# Altium PCB GT502W_QC10.PcbDoc (part 1 of 2)
Units mil, origin at the board's own origin, x right, y up, seen from the top; angles counter-clockwise.
Board outline 2072.48 x 2691 mil, 2 copper layers (Top Layer, Bottom Layer), stack 10.556 mil thick; 172 components, 116 nets, 567 pads, 350 vias.
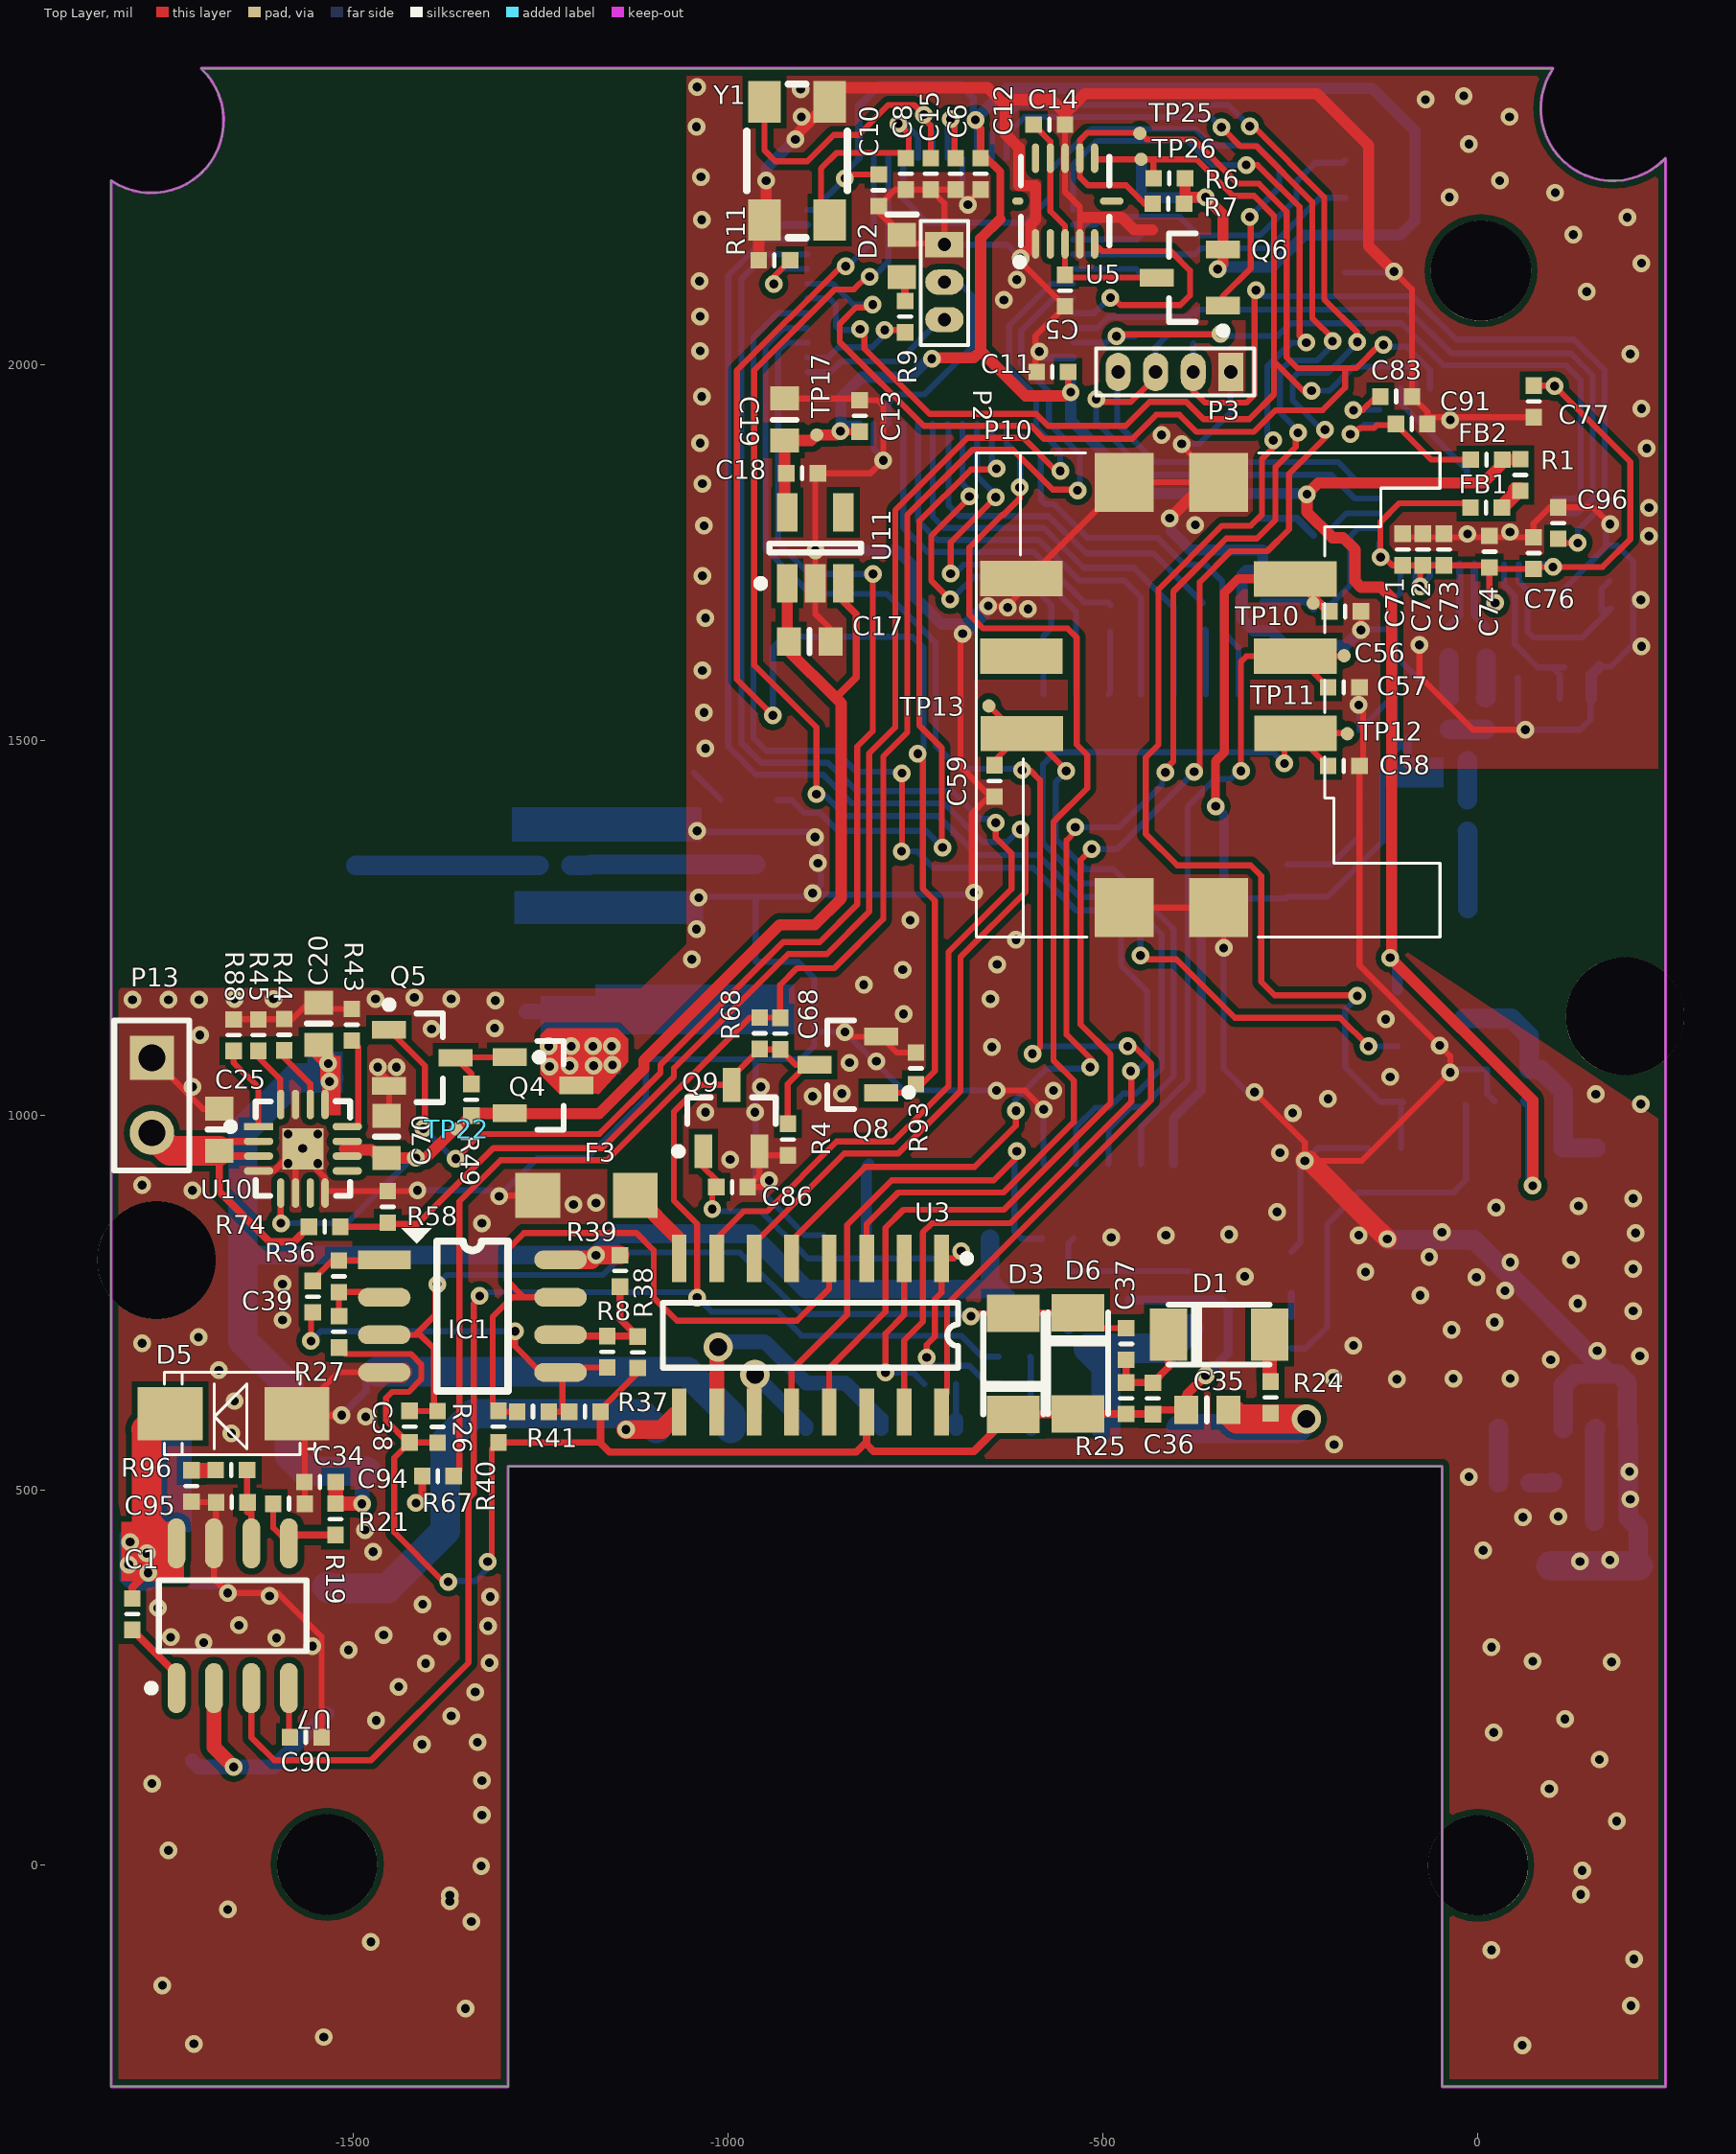
[diagram p0: Top Layer view]
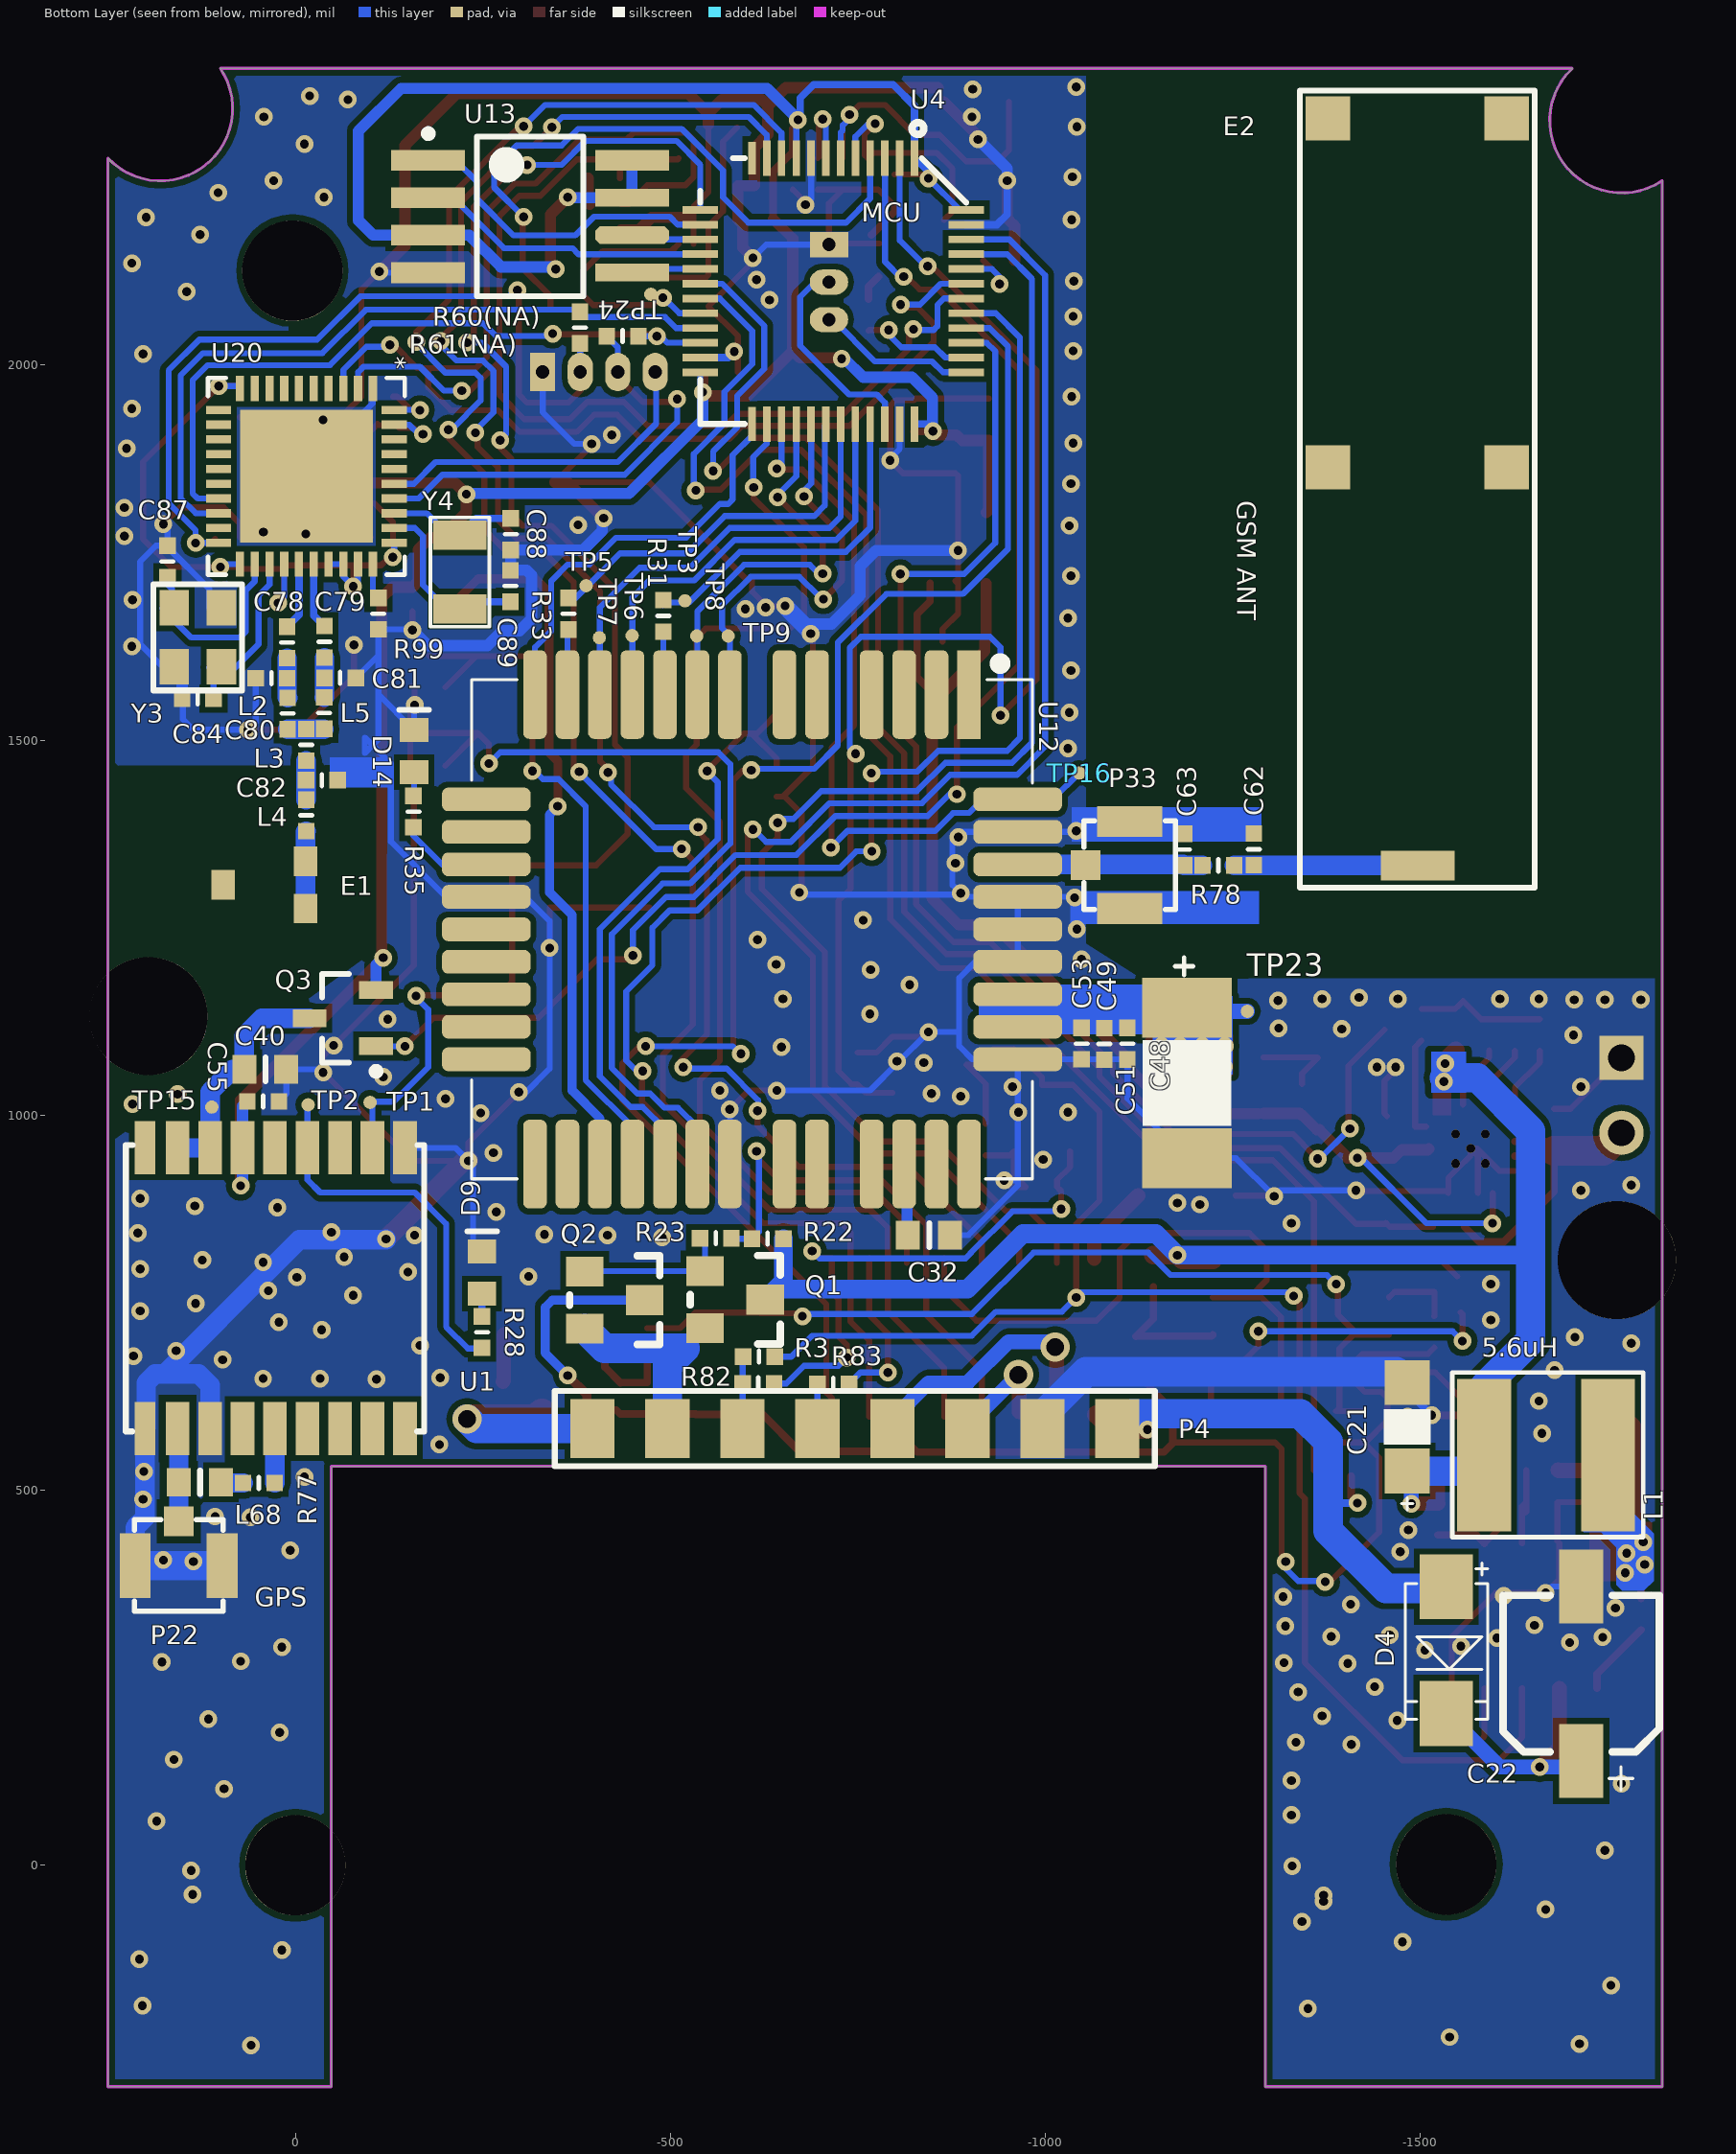
[diagram p1: Bottom Layer view, seen from below]
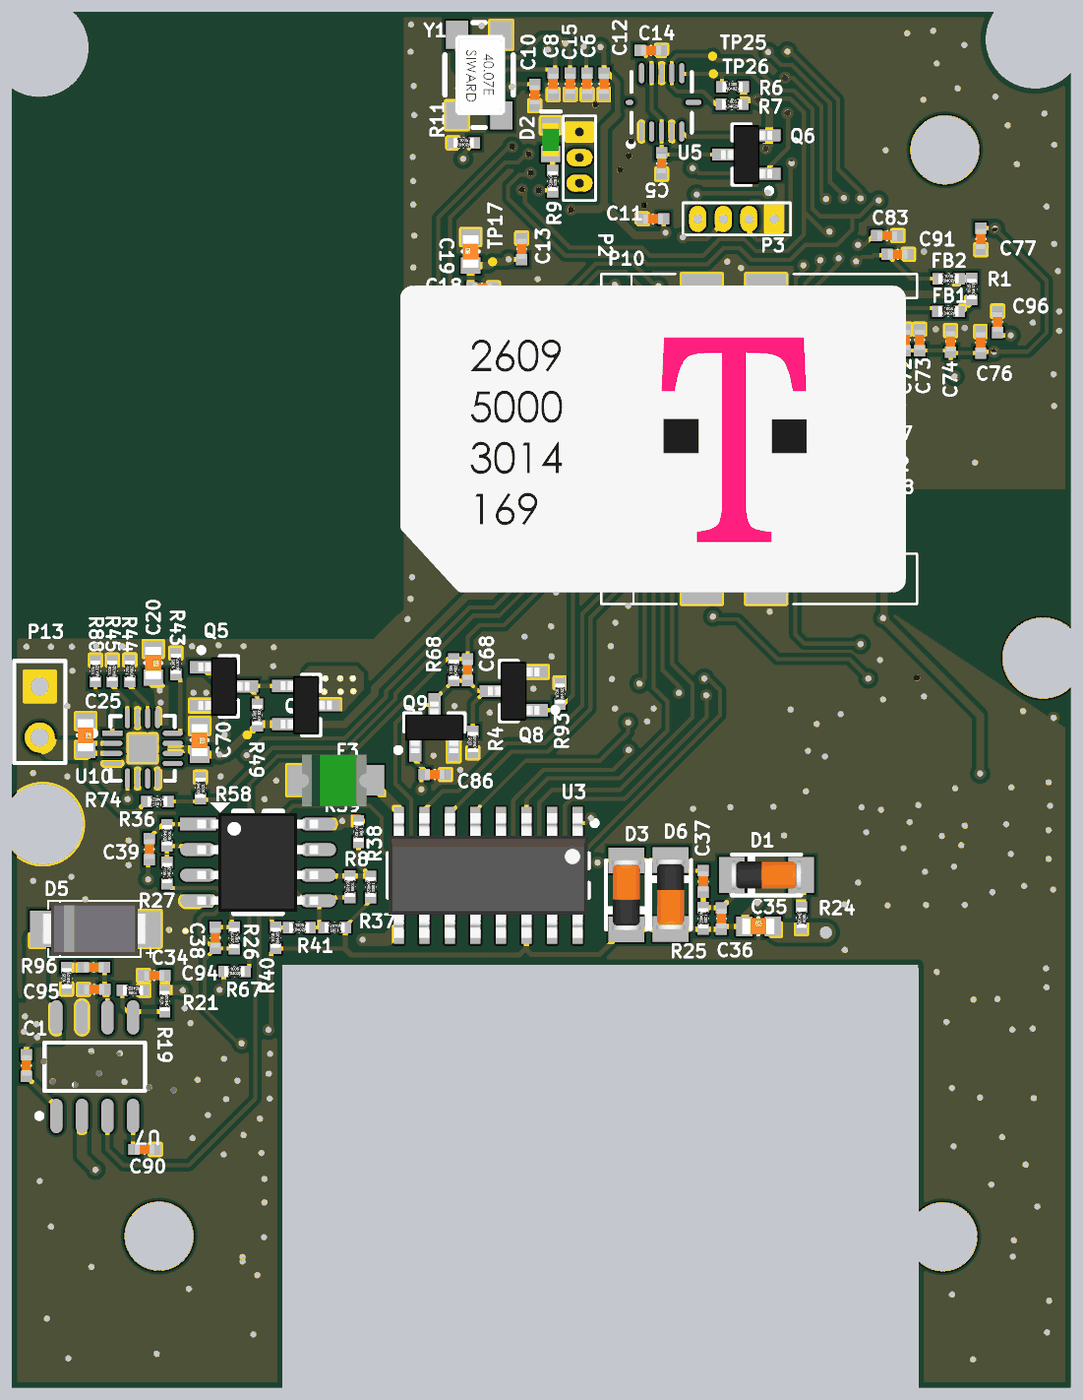
[diagram p3: 3D render of the assembled board from above, using the file's embedded part models]
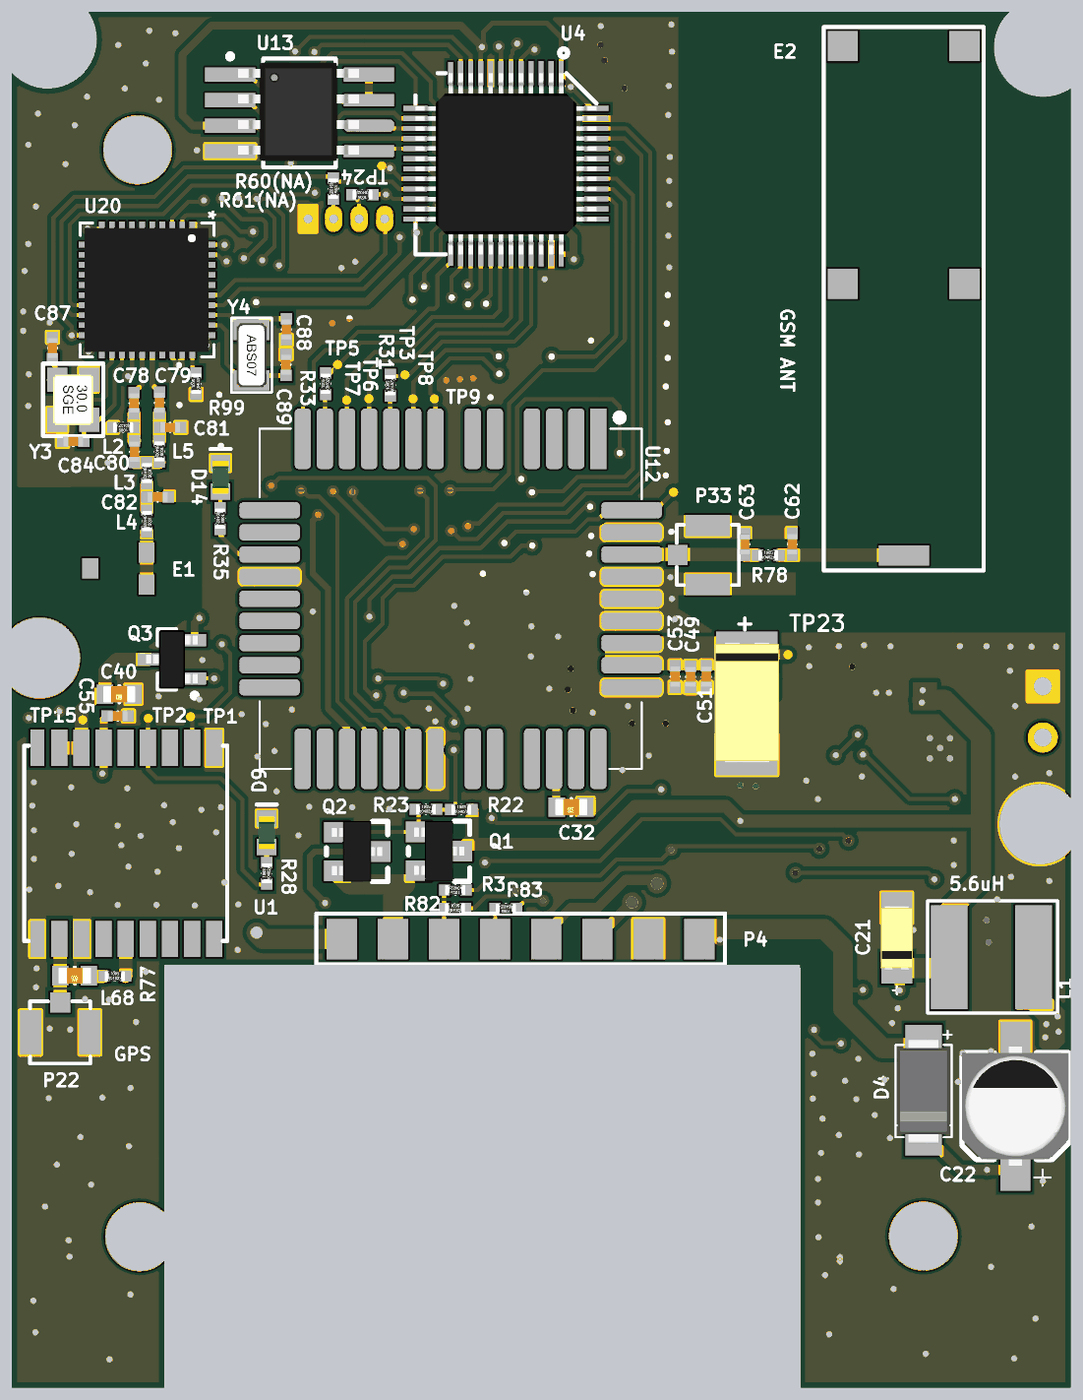
[diagram p4: 3D render of the assembled board from below, using the file's embedded part models]

## Layer stack, top to bottom
Top Layer: signal copper 1.378
Dielectric: core 7.8, FR-4, Dk 4.2
Bottom Layer: signal copper 1.378

## Board outline
-1822.48,-295.16 -1822.48,2246 -1822.4,2246 ccw(c-1768.63,2325.82) -1702.36,2395.62 -1702.36,2395.84 100.12,2395.84 100.12,2395.76 ccw(c179.94,2341.98) 249.74,2275.72 250,2275.48 250,-295.16 -48,-295.16 -48,531.84 -1293,531.84 -1293,-295.16

## Design rules (kind name [scope] priority, off if disabled: settings)
Clearance "Schematic Clearance Constraint" [InNet('NetL68_2')] p1: gap=10
Clearance [All] p2: gap=8
ComponentClearance [All] p1: gap=0 collisioncheckmode=3 verticalgap=0 showdistances=FALSE
MinimumSolderMaskSliver [All] p1: minsoldermaskwidth=1
PolygonConnect pol_conn_style [All vs IsNamedPolygon('Bottom Layer-GND') Or  IsNamedPolygon('Top Layer-GND')] p1: connectstyle=Direct reliefconductorwidth=10 reliefentries=4 polygonreliefangle="90 Angle"
PolygonConnect Pol_Style [All vs IsNamedPolygon('L1_GND') Or  IsNamedPolygon('L3_GND') Or  IsNamedPolygon('L4_GND') Or  IsNamedPolygon('L2_GND')] p2: connectstyle=Direct reliefconductorwidth=10 reliefentries=4 polygonreliefangle="90 Angle" // V3
PolygonConnect L1-GND-GPS_1 [All vs IsNamedPolygon('L1-GND-GPS')] p3: connectstyle=Direct reliefconductorwidth=10 reliefentries=4 polygonreliefangle="90 Angle"
PolygonConnect L1-L4-GND-POLYGON-STYLE [All vs IsNamedPolygon('L2-GND-PCB') Or  IsNamedPolygon('L4-GND-PCB') Or  IsNamedPolygon('L1-GND-PCB') Or  IsNamedPolygon('L3-GND-PCB')] p4: connectstyle=Direct reliefconductorwidth=10 reliefentries=4 polygonreliefangle="90 Angle"
PolygonConnect GPS-PAD-L1 [All vs IsNamedPolygon('L1-GPS-PAD')] p5: connectstyle=Direct reliefconductorwidth=10 reliefentries=4 polygonreliefangle="90 Angle"
PolygonConnect "GPS PAD" [All vs IsNamedPolygon('L4-GPS-PAD')] p6: connectstyle=Direct reliefconductorwidth=10 reliefentries=4 polygonreliefangle="90 Angle"
PolygonConnect [All vs isvia] p7: connectstyle=Direct reliefconductorwidth=10 reliefentries=4 polygonreliefangle="90 Angle"
RoutingVias ThruVia [All] p1: holewidth=11.81 width=23.62 viastyle="Through Hole" minholewidth=11.81 minwidth=23.62 maxholewidth=39.37 maxwidth=78.74
SilkscreenOverComponentPads [All] p1: minsilkscreentomaskgap=0.39
SolderMaskExpansion [All] p1: expansion=4
Width "Schematic Width Constraint" [InNet('NetL68_2')] p1: maxlimit=26 minlimit=26 preferedwidth=26
Width [All] p2: maxlimit=78.74 minlimit=6 preferedwidth=6
25 further rules are at their usual default settings.

## Classes and differential pairs
component class "Power Supply": C1 C17 C18 C19 C20 C21 C22 C25 C34 C70 C90 C94 C95 D4 D5 L1 P13 Q4 Q5 R19 R21 R43 R44 R45 R49 R58 R74 R88 R96 TP17 TP22 TP23 U7 U10 U11
component class Main: Buzzer1 C5 C6 C8 C10 C11 C12 C13 C14 C15 C35 C36 C37 C38 C39 C68 C71 C72 C73 C74 C76 C77 C78 C79 C80 C81 C82 C83 C84 C86 C87 C88 C89 C91 C96 D1 D2 D3 D6 E1 F3 FB1 FB2 IC1 L2 L3 L4 L5 P2 P3 P4 Q1 Q2 Q6 Q8 Q9 R1 R3 R4 R6 R7 R8 R9 R11 R22 R23 R24 R25 R26 R27 R36 R37 R38 R39 R40 R41 R60(NA) R61(NA) R67 R68 R82 R83 R93 R99 TP24 TP25 TP26 U3 U4 U5 U13 U20 Y1 Y3 Y4
component class GSM/GPS: C32 C40 C41 C48 C49 C51 C53 C55 C56 C57 C58 C59 C62 C63 D9 D14 E2 L68 L69 P10 P22 P33 Q3 R28 R31 R33 R35 R77 R78 TP1 TP2 TP3 TP5 TP6 TP7 TP8 TP9 TP10 TP11 TP12 TP13 TP15 TP16 U1 U12 U33

## Components (designator, comment, footprint, x,y, rotation, side; value= is the part's Value field where it differs from the comment)
C1 "100nF" C0402 -1794.21,334.79 r270 top
C5 "100nF-16V-20%" C0402 -550.54,2099.46 r90 top
C6 "100nF-16V-20%" C0402 -696.47,2255.08 r270 top
C8 "15p-50V-5%" C0402 -762.87,2255.08 r90 top
C10 "100nF-16V-20%" C0402 -799,2233.13 r270 top
C11 "100nF-16V-20%" C0402 -567.48,1990.83 r180 top
C12 "100nF-16V-20%" C0402 -663.27,2255.08 r270 top
C13 "100nF-16V-20%" C0402 -824.37,1932.4 r90 top
C14 "100nF-16V-20%" C0402 -571.61,2320.59 r180 top
C15 "15p-50V-5%" C0402 -729.67,2255.08 r270 top
C17 "1uF-16V-20%" C0603 -918.89,1631.46 r0 top
C18 "100nF-16V-20%" C0402 -901.17,1855.87 r180 top
C19 "1uF-16V-20%" C0603 -924.37,1899.61 r90 top
C20 "1uF-16V-20%" C0603 -1545.76,1149.83 r270 top
C21 "4.7uF" C1206 -1482.4,529.39 r90 bottom
C22 "10uF, 35v" "CAPACITOR SIZE_C(D5.3)" -1714.31,139.37 r90 bottom
C25 "10uF-6V3-20%" C0603 -1678.24,1008.54 r270 top
C32 "4.7uF-10V" C0603 -872.64,840.21 r0 bottom
C34 "1nF-5%" C0402 -1662.2,527.02 r0 top
C35 "0.1uF-50V" C0603 -388.85,607.1 r0 top
C36 "3.3nF-10%" C0402 -433.45,622.32 r270 top
C37 "10nF-10%" C0402 -469.07,695 r90 top
C38 "2.2nF-10%" C0402 -1424.43,584.77 r90 top
C39 "100nF-16V-20%" C0402 -1553.55,758.07 r90 top
C40 "10uF-6V3-20%" C0603 12.1,1061.16 r0 bottom
C48 "470u-6.3V" C1812 -1188.77,1143.45 r270 bottom locked
C49 "100nF-16V-20%" C0402 -1078.64,1094.99 r270 bottom
C51 "10nF-16V" C0402 -1109.35,1095.39 r90 bottom
C53 "33pF 50V 5%" C0402 -1048.26,1095.57 r270 bottom
C55 "100nF-16V-20%" C0402 43.03,1018.54 r180 bottom
C56 "100nF-16V-20%" C0402 -176.97,1671.69 r0 top
C57 "47p-50V-5%" C0402 -178.91,1570.63 r180 top
C58 "47p-50V-5%" C0402 -178.91,1465.69 r180 top
C59 "47p-50V-5%" C0402 -644.76,1445.67 r90 top
C62 "0.5pF" C0402 -1277.74,1354.59 r270 bottom
C63 "0.5pF" C0402 -1184.83,1354.2 r270 bottom
C68 "100nF-16V-20%" C0402 -930.4,1108.86 r90 top
C70 "10uF-6V3-20%" C0603 -1455.12,999.05 r270 top
C71 "100nF-16V-20%" C0402 -100.45,1754.19 r90 top
C72 "100nF-16V-20%" C0402 -73.52,1754.19 r90 top
C73 "100nF-16V-20%" C0402 -45.49,1754.19 r90 top
C74 "100nF-16V-20%" C0402 15.22,1751.44 r90 top
C76 "100nF-16V-20%" C0402 74.04,1749.47 r90 top
C77 "100nF-16V-20%" C0402 74.45,1951.67 r270 top
C78 "18pF" C0402 10.98,1630.41 r270 bottom
C79 "18pF" C0402 -38.7,1631.19 r270 bottom
C80 "" C0402 10.27,1535.52 r270 bottom
C81 "" C0402 -59.66,1583.06 r180 bottom
C82 "" C0402 -35.25,1446.76 r180 bottom
C83 "1uF-6V3-20%" C0402 -109.1,1958.15 r0 top
C84 "15pF" C0402 130.11,1555.58 r180 bottom
C86 "100nF-16V-20%" C0402 -994.65,904.22 r180 top
C87 "15pF" C0402 170.53,1738.28 r270 bottom
C88 "18pF" C0402 -287.19,1774.67 r90 bottom
C89 "18pF" C0402 -286.61,1705.6 r270 bottom
C90 "10nF-10%" C0402 -1562.87,170.83 r180 top
C91 "100nF-16V-20%" C0402 -88.4,1921.66 r180 top
C94 "100nF" C0402 -1543.84,511.02 r0 top
C95 "9pF" C0402 -1661.56,483.86 r0 top
C96 "10nF-16V" C0402 106.93,1789.46 r270 top
D1 "1N4148" DO-213AA -277.76,707.47 r180 top
D2 "LED GREEN" LED0603-G -768.11,2145.81 r90 top
D3 "1N4148" DO-213AA -619.52,736.02 r270 top
D4 "1N4007" "DO-214AC (SMA)" -1554.33,336.08 r270 bottom
D5 "B340A" "DO-214AC (SMA)" -1609.98,582.68 r180 top
D6 "1N4148" DO-213AA -533.24,601.78 r90 top
D9 "LED GREEN" LED0603-G -248.68,790.16 r90 bottom
D14 "LED GREEN" LED0603-G -158.2,1485.46 r90 bottom
E1 "Antenna" A10192-ANTENOVA 41.46,1307.13 r0 bottom
E2 "GSM Antena conecter" A10343-GSM850/900/1800/1900/WCDMA -1652.29,1863.89 r90 bottom
F3 "PTS120616V025" PTC1206 -1188.54,892.92 r180 top
FB1 "102" R0402#1 10.89,1810.06 r0 top
FB2 "102" R0402#1 11.33,1873.9 r0 top
IC1 "LM358" soic8 -1458.22,807.22 r0 top locked
L1 "SD8350-5R6-R" SD8350-5R6-R -1667.46,546.85 r270 bottom
L2 "2nH" R0402#1 31.97,1582.81 r0 bottom
L3 "1nH" R0402#1 -14.33,1493.79 r270 bottom
L4 "3nH" R0402#1 -14.33,1399.78 r270 bottom
L5 "2nH" R0402#1 -38.35,1536.13 r270 bottom
L68 "47nH" C0603 99.42,510.73 r0 bottom
P2 "Debug" HEADER_1.27mm_3PIN -711.42,2160.77 r270 top locked
P3 "ble_dbg" HEADER_1.27mm_4PIN -429.74,1990.93 r180 top locked
P4 "Header 8" HDR1X8 -1095.92,582.28 r0 bottom locked